# KiCad board LightRail_LPO_1.6T.kicad_pcb (continued)
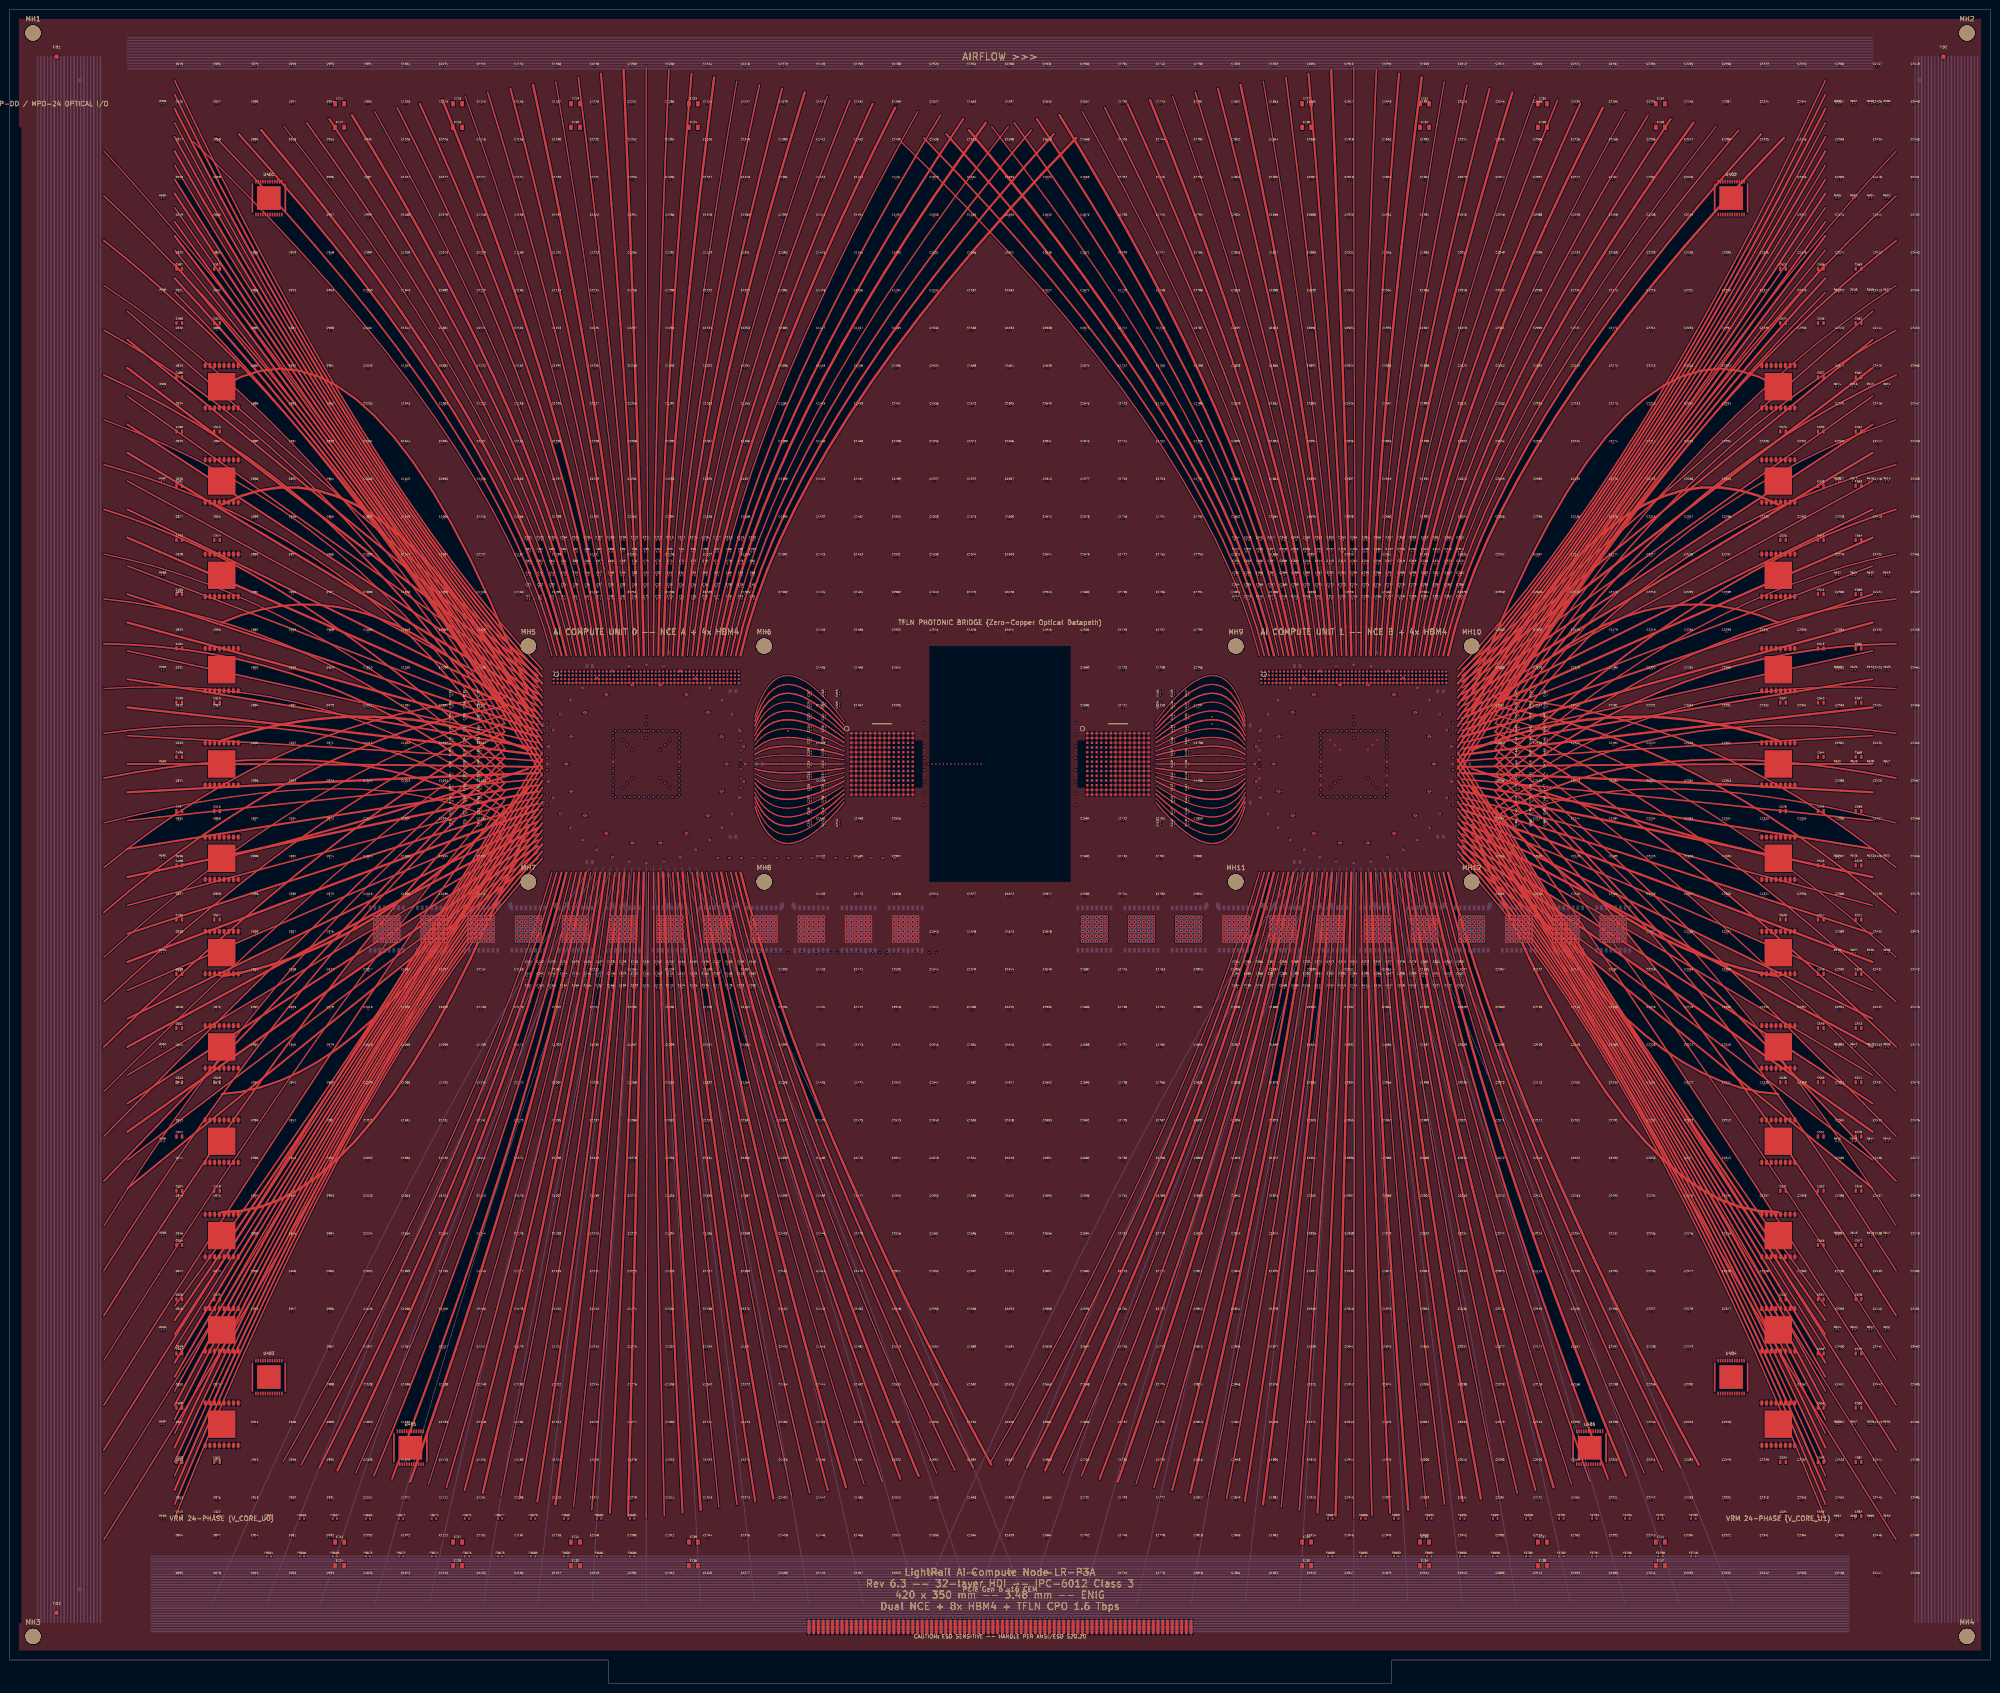
[diagram p0: board, top side]
## Routing (per net, layer and track width the routed paths; a pad name or vN(x,y) marks a point on that pad's centre or on a via; arc(x,y) is an arc through that point) (continued)
  In26.Cu w0.1: v1(177.5,175) 177.5,171.8 178.55,171.56 178.55,171.08 176.45,170.6 176.45,170.12 178.55,169.64 178.55,169.16 177.5,168.92 177.5,163.8 178.55,163.56 178.55,163.08 176.45,162.6 176.45,162.12 178.55,161.64 178.55,161.16 177.5,160.92 177.5,155.8 178.55,155.56 178.55,155.08 176.45,154.6 176.45,154.12 178.55,153.64 178.55,153.16 177.5,152.92 177.5,147.8 178.55,147.56 178.55,147.08 176.45,146.6 176.45,146.12 178.55,145.64 178.55,145.16 177.5,144.92 177.5,139.8 178.55,139.56 178.55,139.08 176.45,138.6 176.45,138.12 178.55,137.64 178.55,137.16 177.5,136.92 177.5,131.8 178.55,131.56 178.55,131.08 176.45,130.6 176.45,130.12 178.55,129.64 178.55,129.16 177.5,128.92 177.5,123.8 178.55,123.56 178.55,123.08 176.45,122.6 176.45,122.12 178.55,121.64 178.55,121.16 177.5,120.92 177.5,115.8 178.55,115.56 178.55,115.08 176.45,114.6 176.45,114.12 178.55,113.64 178.55,113.16 177.5,112.92 177.5,107.8 178.55,107.56 178.55,107.08 176.45,106.6 176.45,106.12 178.55,105.64 178.55,105.16 177.5,104.92 177.5,99.8 178.55,99.56 178.55,99.08 176.45,98.6 176.45,98.12 178.55,97.64 178.55,97.16 177.5,96.92 177.5,91.8 178.55,91.56 178.55,91.08 176.45,90.6 176.45,90.12 178.55,89.64 178.55,89.16 177.5,88.92 177.5,83.8 178.55,83.56 178.55,83.08 176.45,82.6 176.45,82.12 178.55,81.64 178.55,81.16 177.5,80.92 177.5,75.8 178.55,75.56 178.55,75.08 176.45,74.6 176.45,74.12 178.55,73.64 178.55,73.16 177.5,72.92 177.5,67.8 178.55,67.56 178.55,67.08 176.45,66.6 176.45,66.12 178.55,65.64 178.55,65.16 177.5,64.92 177.5,59.8 178.55,59.56 178.55,59.08 176.45,58.6 176.45,58.12 178.55,57.64 178.55,57.16 177.5,56.92 177.5,51.8 178.55,51.56 178.55,51.08 176.45,50.6 176.45,50.12 178.55,49.64 178.55,49.16 177.5,48.92 177.5,43.8 178.55,43.56 178.55,43.08 176.45,42.6 176.45,42.12 178.55,41.64 178.55,41.16 177.5,40.92 177.5,35.8 178.55,35.56 178.55,35.08 176.45,34.6 176.45,34.12 178.55,33.64 178.55,33.16 177.5,32.92 177.5,27.8 178.55,27.56 178.55,27.08 176.45,26.6 176.45,26.12 178.55,25.64 178.55,25.16 177.5,24.92 177.5,15 ; v1(170,175) 170,171.8 170.6,171.56 170.6,171.08 169.4,170.6 169.4,170.12 170.6,169.64 170.6,169.16 170,168.92 170,163.8 170.6,163.56 170.6,163.08 169.4,162.6 169.4,162.12 170.6,161.64 170.6,161.16 170,160.92 170,155.8 170.6,155.56 170.6,155.08 169.4,154.6 169.4,154.12 170.6,153.64 170.6,153.16 170,152.92 170,147.8 170.6,147.56 170.6,147.08 169.4,146.6 169.4,146.12 170.6,145.64 170.6,145.16 170,144.92 170,139.8 170.6,139.56 170.6,139.08 169.4,138.6 169.4,138.12 170.6,137.64 170.6,137.16 170,136.92 170,131.8 170.6,131.56 170.6,131.08 169.4,130.6 169.4,130.12 170.6,129.64 170.6,129.16 170,128.92 170,123.8 170.6,123.56 170.6,123.08 169.4,122.6 169.4,122.12 170.6,121.64 170.6,121.16 170,120.92 170,115.8 170.6,115.56 170.6,115.08 169.4,114.6 169.4,114.12 170.6,113.64 170.6,113.16 170,112.92 170,107.8 170.6,107.56 170.6,107.08 169.4,106.6 169.4,106.12 170.6,105.64 170.6,105.16 170,104.92 170,99.8 170.6,99.56 170.6,99.08 169.4,98.6 169.4,98.12 170.6,97.64 170.6,97.16 170,96.92 170,91.8 170.6,91.56 170.6,91.08 169.4,90.6 169.4,90.12 170.6,89.64 170.6,89.16 170,88.92 170,83.8 170.6,83.56 170.6,83.08 169.4,82.6 169.4,82.12 170.6,81.64 170.6,81.16 170,80.92 170,75.8 170.6,75.56 170.6,75.08 169.4,74.6 169.4,74.12 170.6,73.64 170.6,73.16 170,72.92 170,67.8 170.6,67.56 170.6,67.08 169.4,66.6 169.4,66.12 170.6,65.64 170.6,65.16 170,64.92 170,59.8 170.6,59.56 170.6,59.08 169.4,58.6 169.4,58.12 170.6,57.64 170.6,57.16 170,56.92 170,51.8 170.6,51.56 170.6,51.08 169.4,50.6 169.4,50.12 170.6,49.64 170.6,49.16 170,48.92 170,43.8 170.6,43.56 170.6,43.08 169.4,42.6 169.4,42.12 170.6,41.64 170.6,41.16 170,40.92 170,35.8 170.6,35.56 170.6,35.08 169.4,34.6 169.4,34.12 170.6,33.64 170.6,33.16 170,32.92 170,27.8 170.6,27.56 170.6,27.08 169.4,26.6 169.4,26.12 170.6,25.64 170.6,25.16 170,24.92 170,15 ; 157.5,15 157.5,24.92 158.55,25.16 158.55,25.64 156.45,26.12 156.45,26.6 158.55,27.08 158.55,27.56 157.5,27.8 157.5,32.92 158.55,33.16 158.55,33.64 156.45,34.12 156.45,34.6 158.55,35.08 158.55,35.56 157.5,35.8 157.5,40.92 158.55,41.16 158.55,41.64 156.45,42.12 156.45,42.6 158.55,43.08 158.55,43.56 157.5,43.8 157.5,48.92 158.55,49.16 158.55,49.64 156.45,50.12 156.45,50.6 158.55,51.08 158.55,51.56 157.5,51.8 157.5,56.92 158.55,57.16 158.55,57.64 156.45,58.12 156.45,58.6 158.55,59.08 158.55,59.56 157.5,59.8 157.5,64.92 158.55,65.16 158.55,65.64 156.45,66.12 156.45,66.6 158.55,67.08 158.55,67.56 157.5,67.8 157.5,72.92 158.55,73.16 158.55,73.64 156.45,74.12 156.45,74.6 158.55,75.08 158.55,75.56 157.5,75.8 157.5,80.92 158.55,81.16 158.55,81.64 156.45,82.12 156.45,82.6 158.55,83.08 158.55,83.56 157.5,83.8 157.5,88.92 158.55,89.16 158.55,89.64 156.45,90.12 156.45,90.6 158.55,91.08 158.55,91.56 157.5,91.8 157.5,96.92 158.55,97.16 158.55,97.64 156.45,98.12 156.45,98.6 158.55,99.08 158.55,99.56 157.5,99.8 157.5,104.92 158.55,105.16 158.55,105.64 156.45,106.12 156.45,106.6 158.55,107.08 158.55,107.56 157.5,107.8 157.5,112.92 158.55,113.16 158.55,113.64 156.45,114.12 156.45,114.6 158.55,115.08 158.55,115.56 157.5,115.8 157.5,120.92 158.55,121.16 158.55,121.64 156.45,122.12 156.45,122.6 158.55,123.08 158.55,123.56 157.5,123.8 157.5,128.92 158.55,129.16 158.55,129.64 156.45,130.12 156.45,130.6 158.55,131.08 158.55,131.56 157.5,131.8 157.5,136.92 158.55,137.16 158.55,137.64 156.45,138.12 156.45,138.6 158.55,139.08 158.55,139.56 157.5,139.8 157.5,144.92 158.55,145.16 158.55,145.64 156.45,146.12 156.45,146.6 158.55,147.08 158.55,147.56 157.5,147.8 157.5,152.92 158.55,153.16 158.55,153.64 156.45,154.12 156.45,154.6 158.55,155.08 158.55,155.56 157.5,155.8 157.5,160.92 158.55,161.16 158.55,161.64 156.45,162.12 156.45,162.6 158.55,163.08 158.55,163.56 157.5,163.8 157.5,168.92 158.55,169.16 158.55,169.64 156.45,170.12 156.45,170.6 158.55,171.08 158.55,171.56 157.5,171.8 v1(157.5,175) ; 175.3,15 175.3,24.92 176.2,25.16 176.2,25.64 174.4,26.12 174.4,26.6 176.2,27.08 176.2,27.56 175.3,27.8 175.3,32.92 176.2,33.16 176.2,33.64 174.4,34.12 174.4,34.6 176.2,35.08 176.2,35.56 175.3,35.8 175.3,40.92 176.2,41.16 176.2,41.64 174.4,42.12 174.4,42.6 176.2,43.08 176.2,43.56 175.3,43.8 175.3,48.92 176.2,49.16 176.2,49.64 174.4,50.12 174.4,50.6 176.2,51.08 176.2,51.56 175.3,51.8 175.3,56.92 176.2,57.16 176.2,57.64 174.4,58.12 174.4,58.6 176.2,59.08 176.2,59.56 175.3,59.8 175.3,64.92 176.2,65.16 176.2,65.64 174.4,66.12 174.4,66.6 176.2,67.08 176.2,67.56 175.3,67.8 175.3,72.92 176.2,73.16 176.2,73.64 174.4,74.12 174.4,74.6 176.2,75.08 176.2,75.56 175.3,75.8 175.3,80.92 176.2,81.16 176.2,81.64 174.4,82.12 174.4,82.6 176.2,83.08 176.2,83.56 175.3,83.8 175.3,88.92 176.2,89.16 176.2,89.64 174.4,90.12 174.4,90.6 176.2,91.08 176.2,91.56 175.3,91.8 175.3,96.92 176.2,97.16 176.2,97.64 174.4,98.12 174.4,98.6 176.2,99.08 176.2,99.56 175.3,99.8 175.3,104.92 176.2,105.16 176.2,105.64 174.4,106.12 174.4,106.6 176.2,107.08 176.2,107.56 175.3,107.8 175.3,112.92 176.2,113.16 176.2,113.64 174.4,114.12 174.4,114.6 176.2,115.08 176.2,115.56 175.3,115.8 175.3,120.92 176.2,121.16 176.2,121.64 174.4,122.12 174.4,122.6 176.2,123.08 176.2,123.56 175.3,123.8 175.3,128.92 176.2,129.16 176.2,129.64 174.4,130.12 174.4,130.6 176.2,131.08 176.2,131.56 175.3,131.8 175.3,136.92 176.2,137.16 176.2,137.64 174.4,138.12 174.4,138.6 176.2,139.08 176.2,139.56 175.3,139.8 175.3,144.92 176.2,145.16 176.2,145.64 174.4,146.12 174.4,146.6 176.2,147.08 176.2,147.56 175.3,147.8 175.3,152.92 176.2,153.16 176.2,153.64 174.4,154.12 174.4,154.6 176.2,155.08 176.2,155.56 175.3,155.8 175.3,160.92 176.2,161.16 176.2,161.64 174.4,162.12 174.4,162.6 176.2,163.08 176.2,163.56 175.3,163.8 175.3,168.92 176.2,169.16 176.2,169.64 174.4,170.12 174.4,170.6 176.2,171.08 176.2,171.56 175.3,171.8 v1(175.3,175) ; 157.8,15 157.8,24.92 158.85,25.16 158.85,25.64 156.75,26.12 156.75,26.6 158.85,27.08 158.85,27.56 157.8,27.8 157.8,32.92 158.85,33.16 158.85,33.64 156.75,34.12 156.75,34.6 158.85,35.08 158.85,35.56 157.8,35.8 157.8,40.92 158.85,41.16 158.85,41.64 156.75,42.12 156.75,42.6 158.85,43.08 158.85,43.56 157.8,43.8 157.8,48.92 158.85,49.16 158.85,49.64 156.75,50.12 156.75,50.6 158.85,51.08 158.85,51.56 157.8,51.8 157.8,56.92 158.85,57.16 158.85,57.64 156.75,58.12 156.75,58.6 158.85,59.08 158.85,59.56 157.8,59.8 157.8,64.92 158.85,65.16 158.85,65.64 156.75,66.12 156.75,66.6 158.85,67.08 158.85,67.56 157.8,67.8 157.8,72.92 158.85,73.16 158.85,73.64 156.75,74.12 156.75,74.6 158.85,75.08 158.85,75.56 157.8,75.8 157.8,80.92 158.85,81.16 158.85,81.64 156.75,82.12 156.75,82.6 158.85,83.08 158.85,83.56 157.8,83.8 157.8,88.92 158.85,89.16 158.85,89.64 156.75,90.12 156.75,90.6 158.85,91.08 158.85,91.56 157.8,91.8 157.8,96.92 158.85,97.16 158.85,97.64 156.75,98.12 156.75,98.6 158.85,99.08 158.85,99.56 157.8,99.8 157.8,104.92 158.85,105.16 158.85,105.64 156.75,106.12 156.75,106.6 158.85,107.08 158.85,107.56 157.8,107.8 157.8,112.92 158.85,113.16 158.85,113.64 156.75,114.12 156.75,114.6 158.85,115.08 158.85,115.56 157.8,115.8 157.8,120.92 158.85,121.16 158.85,121.64 156.75,122.12 156.75,122.6 158.85,123.08 158.85,123.56 157.8,123.8 157.8,128.92 158.85,129.16 158.85,129.64 156.75,130.12 156.75,130.6 158.85,131.08 158.85,131.56 157.8,131.8 157.8,136.92 158.85,137.16 158.85,137.64 156.75,138.12 156.75,138.6 158.85,139.08 158.85,139.56 157.8,139.8 157.8,144.92 158.85,145.16 158.85,145.64 156.75,146.12 156.75,146.6 158.85,147.08 158.85,147.56 157.8,147.8 157.8,152.92 158.85,153.16 158.85,153.64 156.75,154.12 156.75,154.6 158.85,155.08 158.85,155.56 157.8,155.8 157.8,160.92 158.85,161.16 158.85,161.64 156.75,162.12 156.75,162.6 158.85,163.08 158.85,163.56 157.8,163.8 157.8,168.92 158.85,169.16 158.85,169.64 156.75,170.12 156.75,170.6 158.85,171.08 158.85,171.56 157.8,171.8 v1(157.8,175) ; v1(152.8,175) 152.8,171.8 153.55,171.56 153.55,171.08 152.05,170.6 152.05,170.12 153.55,169.64 153.55,169.16 152.8,168.92 152.8,163.8 153.55,163.56 153.55,163.08 152.05,162.6 152.05,162.12 153.55,161.64 153.55,161.16 152.8,160.92 152.8,155.8 153.55,155.56 153.55,155.08 152.05,154.6 152.05,154.12 153.55,153.64 153.55,153.16 152.8,152.92 152.8,147.8 153.55,147.56 153.55,147.08 152.05,146.6 152.05,146.12 153.55,145.64 153.55,145.16 152.8,144.92 152.8,139.8 153.55,139.56 153.55,139.08 152.05,138.6 152.05,138.12 153.55,137.64 153.55,137.16 152.8,136.92 152.8,131.8 153.55,131.56 153.55,131.08 152.05,130.6 152.05,130.12 153.55,129.64 153.55,129.16 152.8,128.92 152.8,123.8 153.55,123.56 153.55,123.08 152.05,122.6 152.05,122.12 153.55,121.64 153.55,121.16 152.8,120.92 152.8,115.8 153.55,115.56 153.55,115.08 152.05,114.6 152.05,114.12 153.55,113.64 153.55,113.16 152.8,112.92 152.8,107.8 153.55,107.56 153.55,107.08 152.05,106.6 152.05,106.12 153.55,105.64 153.55,105.16 152.8,104.92 152.8,99.8 153.55,99.56 153.55,99.08 152.05,98.6 152.05,98.12 153.55,97.64 153.55,97.16 152.8,96.92 152.8,91.8 153.55,91.56 153.55,91.08 152.05,90.6 152.05,90.12 153.55,89.64 153.55,89.16 152.8,88.92 152.8,83.8 153.55,83.56 153.55,83.08 152.05,82.6 152.05,82.12 153.55,81.64 153.55,81.16 152.8,80.92 152.8,75.8 153.55,75.56 153.55,75.08 152.05,74.6 152.05,74.12 153.55,73.64 153.55,73.16 152.8,72.92 152.8,67.8 153.55,67.56 153.55,67.08 152.05,66.6 152.05,66.12 153.55,65.64 153.55,65.16 152.8,64.92 152.8,59.8 153.55,59.56 153.55,59.08 152.05,58.6 152.05,58.12 153.55,57.64 153.55,57.16 152.8,56.92 152.8,51.8 153.55,51.56 153.55,51.08 152.05,50.6 152.05,50.12 153.55,49.64 153.55,49.16 152.8,48.92 152.8,43.8 153.55,43.56 153.55,43.08 152.05,42.6 152.05,42.12 153.55,41.64 153.55,41.16 152.8,40.92 152.8,35.8 153.55,35.56 153.55,35.08 152.05,34.6 152.05,34.12 153.55,33.64 153.55,33.16 152.8,32.92 152.8,27.8 153.55,27.56 153.55,27.08 152.05,26.6 152.05,26.12 153.55,25.64 153.55,25.16 152.8,24.92 152.8,15 ; v1(172.5,175) 172.5,171.8 173.25,171.56 173.25,171.08 171.75,170.6 171.75,170.12 173.25,169.64 173.25,169.16 172.5,168.92 172.5,163.8 173.25,163.56 173.25,163.08 171.75,162.6 171.75,162.12 173.25,161.64 173.25,161.16 172.5,160.92 172.5,155.8 173.25,155.56 173.25,155.08 171.75,154.6 171.75,154.12 173.25,153.64 173.25,153.16 172.5,152.92 172.5,147.8 173.25,147.56 173.25,147.08 171.75,146.6 171.75,146.12 173.25,145.64 173.25,145.16 172.5,144.92 172.5,139.8 173.25,139.56 173.25,139.08 171.75,138.6 171.75,138.12 173.25,137.64 173.25,137.16 172.5,136.92 172.5,131.8 173.25,131.56 173.25,131.08 171.75,130.6 171.75,130.12 173.25,129.64 173.25,129.16 172.5,128.92 172.5,123.8 173.25,123.56 173.25,123.08 171.75,122.6 171.75,122.12 173.25,121.64 173.25,121.16 172.5,120.92 172.5,115.8 173.25,115.56 173.25,115.08 171.75,114.6 171.75,114.12 173.25,113.64 173.25,113.16 172.5,112.92 172.5,107.8 173.25,107.56 173.25,107.08 171.75,106.6 171.75,106.12 173.25,105.64 173.25,105.16 172.5,104.92 172.5,99.8 173.25,99.56 173.25,99.08 171.75,98.6 171.75,98.12 173.25,97.64 173.25,97.16 172.5,96.92 172.5,91.8 173.25,91.56 173.25,91.08 171.75,90.6 171.75,90.12 173.25,89.64 173.25,89.16 172.5,88.92 172.5,83.8 173.25,83.56 173.25,83.08 171.75,82.6 171.75,82.12 173.25,81.64 173.25,81.16 172.5,80.92 172.5,75.8 173.25,75.56 173.25,75.08 171.75,74.6 171.75,74.12 173.25,73.64 173.25,73.16 172.5,72.92 172.5,67.8 173.25,67.56 173.25,67.08 171.75,66.6 171.75,66.12 173.25,65.64 173.25,65.16 172.5,64.92 172.5,59.8 173.25,59.56 173.25,59.08 171.75,58.6 171.75,58.12 173.25,57.64 173.25,57.16 172.5,56.92 172.5,51.8 173.25,51.56 173.25,51.08 171.75,50.6 171.75,50.12 173.25,49.64 173.25,49.16 172.5,48.92 172.5,43.8 173.25,43.56 173.25,43.08 171.75,42.6 171.75,42.12 173.25,41.64 173.25,41.16 172.5,40.92 172.5,35.8 173.25,35.56 173.25,35.08 171.75,34.6 171.75,34.12 173.25,33.64 173.25,33.16 172.5,32.92 172.5,27.8 173.25,27.56 173.25,27.08 171.75,26.6 171.75,26.12 173.25,25.64 173.25,25.16 172.5,24.92 172.5,15 ; v1(185.3,175) 185.3,171.8 186.2,171.56 186.2,171.08 184.4,170.6 184.4,170.12 186.2,169.64 186.2,169.16 185.3,168.92 185.3,163.8 186.2,163.56 186.2,163.08 184.4,162.6 184.4,162.12 186.2,161.64 186.2,161.16 185.3,160.92 185.3,155.8 186.2,155.56 186.2,155.08 184.4,154.6 184.4,154.12 186.2,153.64 186.2,153.16 185.3,152.92 185.3,147.8 186.2,147.56 186.2,147.08 184.4,146.6 184.4,146.12 186.2,145.64 186.2,145.16 185.3,144.92 185.3,139.8 186.2,139.56 186.2,139.08 184.4,138.6 184.4,138.12 186.2,137.64 186.2,137.16 185.3,136.92 185.3,131.8 186.2,131.56 186.2,131.08 184.4,130.6 184.4,130.12 186.2,129.64 186.2,129.16 185.3,128.92 185.3,123.8 186.2,123.56 186.2,123.08 184.4,122.6 184.4,122.12 186.2,121.64 186.2,121.16 185.3,120.92 185.3,115.8 186.2,115.56 186.2,115.08 184.4,114.6 184.4,114.12 186.2,113.64 186.2,113.16 185.3,112.92 185.3,107.8 186.2,107.56 186.2,107.08 184.4,106.6 184.4,106.12 186.2,105.64 186.2,105.16 185.3,104.92 185.3,99.8 186.2,99.56 186.2,99.08 184.4,98.6 184.4,98.12 186.2,97.64 186.2,97.16 185.3,96.92 185.3,91.8 186.2,91.56 186.2,91.08 184.4,90.6 184.4,90.12 186.2,89.64 186.2,89.16 185.3,88.92 185.3,83.8 186.2,83.56 186.2,83.08 184.4,82.6 184.4,82.12 186.2,81.64 186.2,81.16 185.3,80.92 185.3,75.8 186.2,75.56 186.2,75.08 184.4,74.6 184.4,74.12 186.2,73.64 186.2,73.16 185.3,72.92 185.3,67.8 186.2,67.56 186.2,67.08 184.4,66.6 184.4,66.12 186.2,65.64 186.2,65.16 185.3,64.92 185.3,59.8 186.2,59.56 186.2,59.08 184.4,58.6 184.4,58.12 186.2,57.64 186.2,57.16 185.3,56.92 185.3,51.8 186.2,51.56 186.2,51.08 184.4,50.6 184.4,50.12 186.2,49.64 186.2,49.16 185.3,48.92 185.3,43.8 186.2,43.56 186.2,43.08 184.4,42.6 184.4,42.12 186.2,41.64 186.2,41.16 185.3,40.92 185.3,35.8 186.2,35.56 186.2,35.08 184.4,34.6 184.4,34.12 186.2,33.64 186.2,33.16 185.3,32.92 185.3,27.8 186.2,27.56 186.2,27.08 184.4,26.6 184.4,26.12 186.2,25.64 186.2,25.16 185.3,24.92 185.3,15 ; v1(160.3,175) 160.3,171.8 160.9,171.56 160.9,171.08 159.7,170.6 159.7,170.12 160.9,169.64 160.9,169.16 160.3,168.92 160.3,163.8 160.9,163.56 160.9,163.08 159.7,162.6 159.7,162.12 160.9,161.64 160.9,161.16 160.3,160.92 160.3,155.8 160.9,155.56 160.9,155.08 159.7,154.6 159.7,154.12 160.9,153.64 160.9,153.16 160.3,152.92 160.3,147.8 160.9,147.56 160.9,147.08 159.7,146.6 159.7,146.12 160.9,145.64 160.9,145.16 160.3,144.92 160.3,139.8 160.9,139.56 160.9,139.08 159.7,138.6 159.7,138.12 160.9,137.64 160.9,137.16 160.3,136.92 160.3,131.8 160.9,131.56 160.9,131.08 159.7,130.6 159.7,130.12 160.9,129.64 160.9,129.16 160.3,128.92 160.3,123.8 160.9,123.56 160.9,123.08 159.7,122.6 159.7,122.12 160.9,121.64 160.9,121.16 160.3,120.92 160.3,115.8 160.9,115.56 160.9,115.08 159.7,114.6 159.7,114.12 160.9,113.64 160.9,113.16 160.3,112.92 160.3,107.8 160.9,107.56 160.9,107.08 159.7,106.6 159.7,106.12 160.9,105.64 160.9,105.16 160.3,104.92 160.3,99.8 160.9,99.56 160.9,99.08 159.7,98.6 159.7,98.12 160.9,97.64 160.9,97.16 160.3,96.92 160.3,91.8 160.9,91.56 160.9,91.08 159.7,90.6 159.7,90.12 160.9,89.64 160.9,89.16 160.3,88.92 160.3,83.8 160.9,83.56 160.9,83.08 159.7,82.6 159.7,82.12 160.9,81.64 160.9,81.16 160.3,80.92 160.3,75.8 160.9,75.56 160.9,75.08 159.7,74.6 159.7,74.12 160.9,73.64 160.9,73.16 160.3,72.92 160.3,67.8 160.9,67.56 160.9,67.08 159.7,66.6 159.7,66.12 160.9,65.64 160.9,65.16 160.3,64.92 160.3,59.8 160.9,59.56 160.9,59.08 159.7,58.6 159.7,58.12 160.9,57.64 160.9,57.16 160.3,56.92 160.3,51.8 160.9,51.56 160.9,51.08 159.7,50.6 159.7,50.12 160.9,49.64 160.9,49.16 160.3,48.92 160.3,43.8 160.9,43.56 160.9,43.08 159.7,42.6 159.7,42.12 160.9,41.64 160.9,41.16 160.3,40.92 160.3,35.8 160.9,35.56 160.9,35.08 159.7,34.6 159.7,34.12 160.9,33.64 160.9,33.16 160.3,32.92 160.3,27.8 160.9,27.56 160.9,27.08 159.7,26.6 159.7,26.12 160.9,25.64 160.9,25.16 160.3,24.92 160.3,15 ; v1(162.8,175) 162.8,171.8 163.55,171.56 163.55,171.08 162.05,170.6 162.05,170.12 163.55,169.64 163.55,169.16 162.8,168.92 162.8,163.8 163.55,163.56 163.55,163.08 162.05,162.6 162.05,162.12 163.55,161.64 163.55,161.16 162.8,160.92 162.8,155.8 163.55,155.56 163.55,155.08 162.05,154.6 162.05,154.12 163.55,153.64 163.55,153.16 162.8,152.92 162.8,147.8 163.55,147.56 163.55,147.08 162.05,146.6 162.05,146.12 163.55,145.64 163.55,145.16 162.8,144.92 162.8,139.8 163.55,139.56 163.55,139.08 162.05,138.6 162.05,138.12 163.55,137.64 163.55,137.16 162.8,136.92 162.8,131.8 163.55,131.56 163.55,131.08 162.05,130.6 162.05,130.12 163.55,129.64 163.55,129.16 162.8,128.92 162.8,123.8 163.55,123.56 163.55,123.08 162.05,122.6 162.05,122.12 163.55,121.64 163.55,121.16 162.8,120.92 162.8,115.8 163.55,115.56 163.55,115.08 162.05,114.6 162.05,114.12 163.55,113.64 163.55,113.16 162.8,112.92 162.8,107.8 163.55,107.56 163.55,107.08 162.05,106.6 162.05,106.12 163.55,105.64 163.55,105.16 162.8,104.92 162.8,99.8 163.55,99.56 163.55,99.08 162.05,98.6 162.05,98.12 163.55,97.64 163.55,97.16 162.8,96.92 162.8,91.8 163.55,91.56 163.55,91.08 162.05,90.6 162.05,90.12 163.55,89.64 163.55,89.16 162.8,88.92 162.8,83.8 163.55,83.56 163.55,83.08 162.05,82.6 162.05,82.12 163.55,81.64 163.55,81.16 162.8,80.92 162.8,75.8 163.55,75.56 163.55,75.08 162.05,74.6 162.05,74.12 163.55,73.64 163.55,73.16 162.8,72.92 162.8,67.8 163.55,67.56 163.55,67.08 162.05,66.6 162.05,66.12 163.55,65.64 163.55,65.16 162.8,64.92 162.8,59.8 163.55,59.56 163.55,59.08 162.05,58.6 162.05,58.12 163.55,57.64 163.55,57.16 162.8,56.92 162.8,51.8 163.55,51.56 163.55,51.08 162.05,50.6 162.05,50.12 163.55,49.64 163.55,49.16 162.8,48.92 162.8,43.8 163.55,43.56 163.55,43.08 162.05,42.6 162.05,42.12 163.55,41.64 163.55,41.16 162.8,40.92 162.8,35.8 163.55,35.56 163.55,35.08 162.05,34.6 162.05,34.12 163.55,33.64 163.55,33.16 162.8,32.92 162.8,27.8 163.55,27.56 163.55,27.08 162.05,26.6 162.05,26.12 163.55,25.64 163.55,25.16 162.8,24.92 162.8,15 ; v1(170.3,175) 170.3,171.8 170.9,171.56 170.9,171.08 169.7,170.6 169.7,170.12 170.9,169.64 170.9,169.16 170.3,168.92 170.3,163.8 170.9,163.56 170.9,163.08 169.7,162.6 169.7,162.12 170.9,161.64 170.9,161.16 170.3,160.92 170.3,155.8 170.9,155.56 170.9,155.08 169.7,154.6 169.7,154.12 170.9,153.64 170.9,153.16 170.3,152.92 170.3,147.8 170.9,147.56 170.9,147.08 169.7,146.6 169.7,146.12 170.9,145.64 170.9,145.16 170.3,144.92 170.3,139.8 170.9,139.56 170.9,139.08 169.7,138.6 169.7,138.12 170.9,137.64 170.9,137.16 170.3,136.92 170.3,131.8 170.9,131.56 170.9,131.08 